# Altium PCB UltraZohm_Analog_ADS5272.PcbDoc (part 1 of 4) (continued)
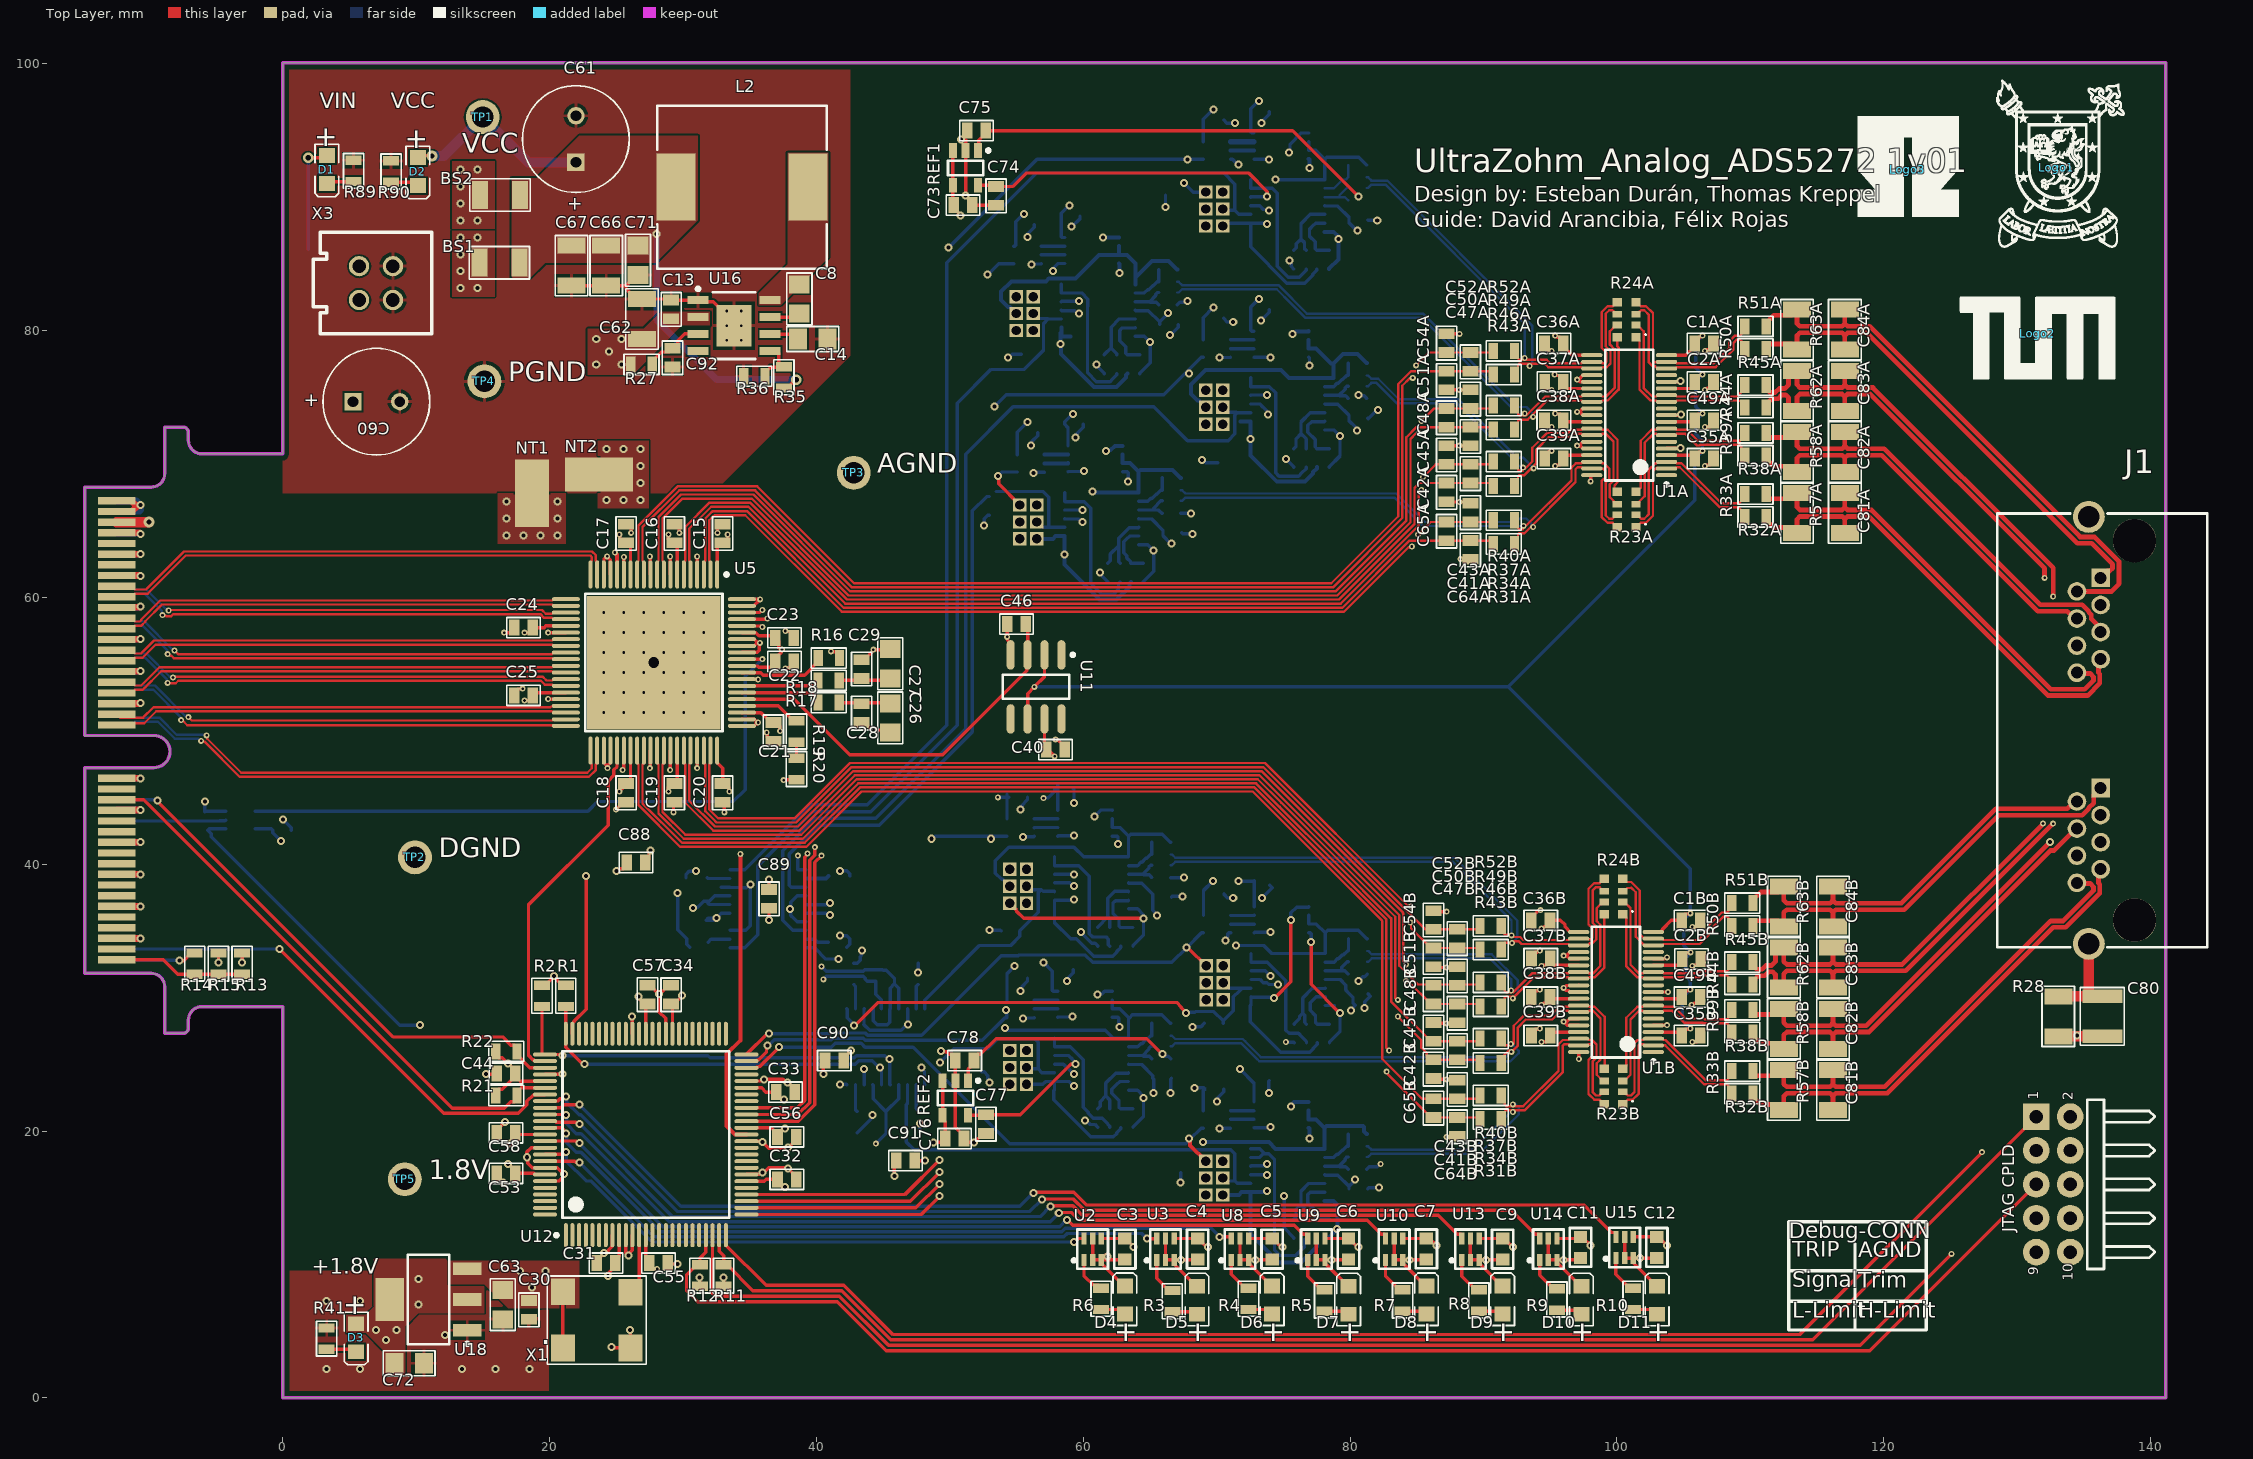
[diagram p0: Top Layer view]
## Components (designator, comment, footprint, x,y, rotation, side; value= is the part's Value field where it differs from the comment) (continued)
C48B "100pF" CAP_0603 86.261,29.524 r180 top (schematic designator C48)
C49A "100nF" CAP_0603 107.251,73.282 r270 top (schematic designator C49)
C49B "100nF" CAP_0603 106.264,30.038 r270 top (schematic designator C49)
C50A "200pF" CAP_0603 89.027,74.165 r180 top (schematic designator C50)
C50B "200pF" CAP_0603 88.039,30.921 r180 top (schematic designator C50)
C51A "200pF" CAP_0603 87.249,75.562 r180 top (schematic designator C51)
C51B "200pF" CAP_0603 86.261,32.318 r180 top (schematic designator C51)
C52A "100pF" CAP_0603 89.027,76.962 r180 top (schematic designator C52)
C52B "100pF" CAP_0603 88.039,33.718 r180 top (schematic designator C52)
C53 "100nF" CAP_0603 17.431,16.821 r270 top
C54A "200pF" CAP_0603 87.249,78.359 r180 top (schematic designator C54)
C54B "200pF" CAP_0603 86.261,35.115 r180 top (schematic designator C54)
C55 "100nF" CAP_0603 27.464,10.09 r90 top
C56 "100nF" CAP_0603 37.081,19.558 r90 top
C57 "100nF" CAP_0603 27.337,29.521 r180 top
C58 "100nF" CAP_0603 17.434,19.869 r270 top
C59 "100nF" CAP_0603 45.85,31.242 r90 bottom
C60 "220 uF" WCAP-ATG5_8x11.5x3.5 7.013,74.676 r180 top
C61 "220 uF" WCAP-ATG5_8x11.5x3.5 21.971,94.361 r270 top
C62 "10uF" RES_1206 26.924,79.375 r0 top
C63 "1uF" CAP_0805 16.489,8.088 r0 top
C64A "200pF" CAP_0603 89.027,62.862 r180 top (schematic designator C64)
C64B "200pF" CAP_0603 88.039,19.618 r180 top (schematic designator C64)
C65A "100pF" CAP_0603 87.249,64.259 r180 top (schematic designator C65)
C65B "100pF" CAP_0603 86.261,21.015 r180 top (schematic designator C65)
C66 "10uF" RES_1206 24.244,86.375 r180 top
C67 "10uF" RES_1206 21.644,86.375 r180 top
C68A "100nF" CAP_0603 79.923,88.298 r270 bottom (schematic designator C68)
C68B "100nF" CAP_0603 65.724,80.463 r270 bottom (schematic designator C68)
C68C "100nF" CAP_0603 79.923,73.443 r270 bottom (schematic designator C68)
C68D "100nF" CAP_0603 65.978,64.842 r270 bottom (schematic designator C68)
C68E "100nF" CAP_0603 65.216,37.537 r270 bottom (schematic designator C68)
C68F "100nF" CAP_0603 79.948,30.298 r270 bottom (schematic designator C68)
C68G "100nF" CAP_0603 65.216,23.948 r270 bottom (schematic designator C68)
C68H "100nF" CAP_0603 79.923,15.658 r270 bottom (schematic designator C68)
C69A "100nF" CAP_0603 72.557,96.43 r270 bottom (schematic designator C69)
C69B "100nF" CAP_0603 58.358,88.591 r270 bottom (schematic designator C69)
C69C "100nF" CAP_0603 72.557,81.571 r270 bottom (schematic designator C69)
C69D "100nF" CAP_0603 58.612,72.97 r270 bottom (schematic designator C69)
C69E "100nF" CAP_0603 57.85,45.665 r270 bottom (schematic designator C69)
C69F "100nF" CAP_0603 72.582,38.426 r270 bottom (schematic designator C69)
C69G "100nF" CAP_0603 57.85,32.076 r270 bottom (schematic designator C69)
C69H "100nF" CAP_0603 72.557,23.786 r270 bottom (schematic designator C69)
C70A "100nF" CAP_0603 69.128,95.795 r270 bottom (schematic designator C70)
C70B "100nF" CAP_0603 54.929,87.956 r270 bottom (schematic designator C70)
C70C "100nF" CAP_0603 69.128,80.936 r270 bottom (schematic designator C70)
C70D "100nF" CAP_0603 55.183,72.335 r270 bottom (schematic designator C70)
C70E "100nF" CAP_0603 54.421,45.03 r270 bottom (schematic designator C70)
C70F "100nF" CAP_0603 69.153,37.791 r270 bottom (schematic designator C70)
C70G "100nF" CAP_0603 54.421,31.441 r270 bottom (schematic designator C70)
C70H "100nF" CAP_0603 69.128,23.151 r270 bottom (schematic designator C70)
C71 "1uF" CAP_0805 26.624,86.375 r0 top
C72 "1uF" CAP_0805 8.369,2.59 r90 top
C73 "100nF" CAP_0603 50.289,89.408 r90 top
C74 "100nF" CAP_0603 53.467,90.808 r0 top
C75 "100nF" CAP_0603 52.705,94.996 r270 top
C76 "100nF" CAP_0603 49.657,19.431 r90 top
C77 "100nF" CAP_0603 52.705,21.212 r0 top
C78 "100nF" CAP_0603 51.816,25.273 r270 top
C80 "100pF" CAP_1210 136.398,27.099 r0 top
C81A "100nF" RES_1206 117.094,64.815 r0 top (schematic designator C81)
C81B "100nF" RES_1206 116.205,21.571 r0 top (schematic designator C81)
C82A "100nF" RES_1206 117.094,69.403 r0 top (schematic designator C82)
C82B "100nF" RES_1206 116.205,26.159 r0 top (schematic designator C82)
C83A "100nF" RES_1206 117.094,73.991 r0 top (schematic designator C83)
C83B "100nF" RES_1206 116.205,30.747 r0 top (schematic designator C83)
C84A "100nF" RES_1206 117.094,78.579 r0 top (schematic designator C84)
C84B "100nF" RES_1206 116.205,35.335 r0 top (schematic designator C84)
C85A "100nF" CAP_0603 66.167,91.57 r180 bottom (schematic designator C85)
C85B "100nF" CAP_0603 56.769,78.232 r90 bottom (schematic designator C85)
C85C "100nF" CAP_0603 70.104,71.504 r180 bottom (schematic designator C85)
C85D "100nF" CAP_0603 52.959,67.564 r180 bottom (schematic designator C85)
C85E "100nF" CAP_0603 55.248,34.998 r90 bottom (schematic designator C85)
C85F "100nF" CAP_0603 70.485,28.067 r90 bottom (schematic designator C85)
C85G "100nF" CAP_0603 52.376,25.833 r180 bottom (schematic designator C85)
C85H "100nF" CAP_0603 67.31,18.288 r180 bottom (schematic designator C85)
C86 "100nF" CAP_0603 -5.842,42.545 r0 bottom
C87 "100nF" CAP_0603 -0.762,42.545 r270 bottom
C88 "100nF" CAP_0603 25.778,40.132 r90 top
C89 "100nF" CAP_0603 36.449,36.703 r180 top
C90 "100nF" CAP_0603 40.637,25.273 r90 top
C91 "100nF" CAP_0603 45.974,17.78 r90 top
C92 "1µF" CAP_0603 29.21,78.67 r0 top
D1 "VIN" LED_0805_GREEN 3.302,92.075 r270 top
D2 "VCC" LED_0805_GREEN 10.122,91.925 r270 top
D3 "+1.8V" LED_0805_GREEN 5.493,4.502 r270 top
D4 "LED" LED_0805_GREEN 63.119,7.33 r90 top
D5 "LED" LED_0805_GREEN 68.53,7.313 r90 top
D6 "LED" LED_0805_GREEN 74.168,7.33 r90 top
D7 "LED" LED_0805_GREEN 79.903,7.313 r90 top
D8 "LED" LED_0805_GREEN 85.733,7.33 r90 top
D9 "LED" LED_0805_GREEN 91.44,7.33 r90 top
D10 "LED" LED_0805_GREEN 97.348,7.313 r90 top
D11 "LED" LED_0805_GREEN 103.028,7.313 r90 top
DebugA "Connector Header Through Hole, Right Angle 6 position 0.0.79\" (2mm)" "HEADER 3X2 MACHO PITCH 1.27MM" 69.825,89.119 r0 bottom (schematic designator Debug)
DebugB "Connector Header Through Hole, Right Angle 6 position 0.0.79\" (2mm)" "HEADER 3X2 MACHO PITCH 1.27MM" 55.626,81.28 r0 bottom (schematic designator Debug)
DebugC "Connector Header Through Hole, Right Angle 6 position 0.0.79\" (2mm)" "HEADER 3X2 MACHO PITCH 1.27MM" 69.825,74.26 r0 bottom (schematic designator Debug)
DebugD "Connector Header Through Hole, Right Angle 6 position 0.0.79\" (2mm)" "HEADER 3X2 MACHO PITCH 1.27MM" 55.88,65.659 r0 bottom (schematic designator Debug)
DebugE "Connector Header Through Hole, Right Angle 6 position 0.0.79\" (2mm)" "HEADER 3X2 MACHO PITCH 1.27MM" 55.118,38.354 r0 bottom (schematic designator Debug)
DebugF "Connector Header Through Hole, Right Angle 6 position 0.0.79\" (2mm)" "HEADER 3X2 MACHO PITCH 1.27MM" 69.85,31.115 r0 bottom (schematic designator Debug)
DebugG "Connector Header Through Hole, Right Angle 6 position 0.0.79\" (2mm)" "HEADER 3X2 MACHO PITCH 1.27MM" 55.118,24.765 r0 bottom (schematic designator Debug)
DebugH "Connector Header Through Hole, Right Angle 6 position 0.0.79\" (2mm)" "HEADER 3X2 MACHO PITCH 1.27MM" 69.825,16.475 r0 bottom (schematic designator Debug)
J1 "RJHSE-5380-02" RJHSE-5380-02 138.811,35.814 r90 top
"JTAG CPLD" "" "HEADER_JTAG - MAXII Horizontal" 133.985,10.922 r90 top
L2 "15mH" SMT_inductor_1050_Performance 34.424,90.775 r270 top
Logo1 "LOGO USACH" "Logo Usach" 132.969,92.202 r0 top
Logo2 "LOGO TUM" "Logo TUM" 131.572,79.756 r0 top
Logo3 "LOGO G.S. Ohm" "Logo G.S.Ohm University" 121.793,92.075 r0 top
NT1 "NetTie" NetTie 18.669,67.818 r90 top net-tie
NT2 "NetTie" NetTie 23.695,69.215 r0 top net-tie
POT1 "X95840_" TSSO6X6-G20/D6.6 36.369,36.656 r270 bottom
POT2 "X95840_" TSSO6X6-G20/D6.6 45.202,26.315 r180 bottom
R1 "2.2k" RES_0603 21.209,30.937 r0 top
R2 "2.2k" RES_0603 19.431,30.937 r0 top
R3 "1.5k" RES_0603 66.675,6.441 r180 top
R4 "1.5k" RES_0603 72.39,6.619 r180 top
R5 "1.5k" RES_0603 78.105,6.492 r180 top
R6 "1.5k" RES_0603 61.341,6.619 r180 top
R7 "1.5k" RES_0603 83.947,6.492 r180 top
R8 "1.5k" RES_0603 89.662,6.492 r180 top
R9 "1.5k" RES_0603 95.504,6.568 r180 top
R10 "1.5k" RES_0603 101.219,6.619 r180 top
R11 "1k" RES_0603 33.052,8.363 r180 top
R12 "10k" RES_0603 31.274,8.363 r180 top
R13 "DNP" RES_0603 -3.048,31.75 r180 top value=0
R14 "0" RES_0603 -6.604,33.35 r0 top
R15 "DNP" RES_0603 -4.826,31.75 r180 top value=0
R16 "4.7k" RES_0603 40.132,55.453 r90 top
R17 "2" RES_0603 41.721,52.114 r270 top
R18 "2" RES_0603 41.721,53.784 r270 top
R19 "56k" RES_0603 38.506,49.146 r180 top
R20 "220" RES_0603 38.506,46.336 r180 top
R21 "2.2k" RES_0603 15.958,22.663 r90 top
R22 "2.2k" RES_0603 15.958,25.965 r90 top
R23A "10k" CAC-80P320X160-8N 100.745,66.593 r180 top (schematic designator R23)
R23B "10k" CAC-80P320X160-8N 99.757,23.349 r180 top (schematic designator R23)
R24A "10k" CAC-80P320X160-8N 100.745,80.817 r180 top (schematic designator R24)
R24B "10k" CAC-80P320X160-8N 99.757,37.573 r180 top (schematic designator R24)
R25A "100k" CAC-80P320X160-8N 80.558,91.096 r180 bottom (schematic designator R25)
R25B "100k" CAC-80P320X160-8N 66.359,83.257 r180 bottom (schematic designator R25)
R25C "100k" CAC-80P320X160-8N 80.558,76.237 r180 bottom (schematic designator R25)
R25D "100k" CAC-80P320X160-8N 66.613,67.636 r180 bottom (schematic designator R25)
R25E "100k" CAC-80P320X160-8N 65.851,40.331 r180 bottom (schematic designator R25)
R25F "100k" CAC-80P320X160-8N 80.583,33.092 r180 bottom (schematic designator R25)
R25G "100k" CAC-80P320X160-8N 65.851,26.742 r180 bottom (schematic designator R25)
R25H "100k" CAC-80P320X160-8N 80.558,18.452 r180 bottom (schematic designator R25)
R26A "10k" CAC-80P320X160-8N 77.11,85.319 r90 bottom (schematic designator R26)
R26B "10k" CAC-80P320X160-8N 62.911,77.48 r90 bottom (schematic designator R26)
R26C "10k" CAC-80P320X160-8N 77.11,70.46 r90 bottom (schematic designator R26)
R26D "10k" CAC-80P320X160-8N 63.165,61.859 r90 bottom (schematic designator R26)
R26E "10k" CAC-80P320X160-8N 62.403,34.554 r90 bottom (schematic designator R26)
R26F "10k" CAC-80P320X160-8N 77.135,27.315 r90 bottom (schematic designator R26)
R26G "10k" CAC-80P320X160-8N 62.403,20.965 r90 bottom (schematic designator R26)
R26H "10k" CAC-80P320X160-8N 77.11,12.675 r90 bottom (schematic designator R26)
R27 "100k" RES_0603 27.686,77.47 r270 top
R28 "1M" RES_1206 133.096,30.099 r180 top
R31A "48.7" RES_0603 90.729,64.008 r90 top (schematic designator R31)
R31B "48.7" RES_0603 89.741,20.891 r90 top (schematic designator R31)
R32A "39.2k" RES_0603 109.601,66.04 r90 top (schematic designator R32)
R32B "39.2k" RES_0603 108.613,22.796 r90 top (schematic designator R32)
R33A "39.2k" RES_0603 109.601,67.74 r90 top (schematic designator R33)
R33B "39.2k" RES_0603 108.613,24.496 r90 top (schematic designator R33)
R34A "48.7" RES_0603 90.729,65.786 r90 top (schematic designator R34)
R34B "48.7" RES_0603 89.741,22.669 r90 top (schematic designator R34)
R35 "100k" RES_0603 37.554,77.303 r0 top
R36 "40.2k" RES_0603 34.544,76.581 r90 top
R37A "48.7" RES_0603 90.729,68.346 r90 top (schematic designator R37)
R37B "48.7" RES_0603 89.741,25.102 r90 top (schematic designator R37)
R38A "39.2k" RES_0603 109.596,70.632 r90 top (schematic designator R38)
R38B "39.2k" RES_0603 108.608,27.388 r90 top (schematic designator R38)
R39A "39.2k" RES_0603 109.601,72.332 r90 top (schematic designator R39)
R39B "39.2k" RES_0603 108.613,29.088 r90 top (schematic designator R39)
R40A "48.7" RES_0603 90.729,70.173 r90 top (schematic designator R40)
R40B "48.7" RES_0603 89.741,26.929 r90 top (schematic designator R40)
R41 "100" RES_0603 3.29,5.238 r0 top
R43A "48.7" RES_0603 90.729,72.587 r90 top (schematic designator R43)
R43B "48.7" RES_0603 89.741,29.343 r90 top (schematic designator R43)
R44A "39.2k" RES_0603 109.601,74.238 r90 top (schematic designator R44)
R44B "39.2k" RES_0603 108.613,30.994 r90 top (schematic designator R44)
R45A "39.2k" RES_0603 109.601,75.908 r90 top (schematic designator R45)
R45B "39.2k" RES_0603 108.613,32.664 r90 top (schematic designator R45)
R46A "48.7" RES_0603 90.729,74.384 r90 top (schematic designator R46)
R46B "48.7" RES_0603 89.741,31.14 r90 top (schematic designator R46)
R49A "48.7" RES_0603 90.729,76.708 r90 top (schematic designator R49)
R49B "48.7" RES_0603 89.741,33.591 r90 top (schematic designator R49)
R50A "39.2k" RES_0603 109.601,78.626 r90 top (schematic designator R50)
R50B "39.2k" RES_0603 108.613,35.382 r90 top (schematic designator R50)
R51A "39.2k" RES_0603 109.596,80.326 r90 top (schematic designator R51)
R51B "39.2k" RES_0603 108.608,37.082 r90 top (schematic designator R51)
R52A "48.7" RES_0603 90.729,78.486 r90 top (schematic designator R52)
R52B "48.7" RES_0603 89.741,35.369 r90 top (schematic designator R52)
R56 "10k" RES_0603 30.226,38.989 r270 bottom
R57A "160" RES_1206 113.51,64.815 r0 top (schematic designator R57)
R57B "160" RES_1206 112.522,21.571 r0 top (schematic designator R57)
R58A "160" RES_1206 113.51,69.403 r0 top (schematic designator R58)
R58B "160" RES_1206 112.522,26.159 r0 top (schematic designator R58)
R62A "160" RES_1206 113.51,73.991 r0 top (schematic designator R62)
R62B "160" RES_1206 112.522,30.747 r0 top (schematic designator R62)
R63A "160" RES_1206 113.51,78.579 r0 top (schematic designator R63)
R63B "160" RES_1206 112.522,35.335 r0 top (schematic designator R63)
R73 "10k" RES_0603 30.277,34.163 r270 bottom
R74 "10k" RES_0603 42.494,34.163 r90 bottom
R75 "10k" RES_0603 42.494,39.116 r90 bottom
R80 "10k" RES_0603 47.625,32.588 r180 bottom
R81 "10k" RES_0603 42.799,32.588 r180 bottom
R82 "10k" RES_0603 43.053,19.863 r0 bottom
R83 "10k" RES_0603 47.752,19.863 r0 bottom
R89 "20k" RES_0603 5.302,91.175 r180 top
R90 "330" RES_0603 8.122,92.725 r0 top
REF1 "VREF 3.3V/1.65V" SOT-23-5 51.181,92.202 r90 top
REF2 "VREF 3.3V/1.65V" SOT-23-5 50.419,22.479 r90 top
TP1 "VCC" TP_1.6mm 14.986,96.012 r270 top
TP2 "DGND" TP_1.6mm 9.906,40.513 r0 top
TP3 "AGND" TP_1.6mm 42.799,69.342 r0 top
TP4 "PGND" TP_1.6mm 15.113,76.2 r0 top
TP5 "1.8V" TP_1.6mm 9.144,16.383 r0 top
U1A "THS4524" "THS4524 Footprint" 100.925,73.662 r180 top (schematic designator U1)
U1B "THS4524" "THS4524 Footprint" 99.937,30.418 r180 top (schematic designator U1)
U2 "LED Driver" SOT65P210X110-6N 60.706,11.14 r90 top
U3 "LED Driver" SOT65P210X110-6N 66.167,11.14 r90 top
U4A "OPA4344" TSSO5X6-G14/X.3 75.33,89.363 r270 bottom (schematic designator U4)
U4B "OPA4344" TSSO5X6-G14/X.3 61.131,81.524 r270 bottom (schematic designator U4)
U4C "OPA4344" TSSO5X6-G14/X.3 75.33,74.504 r270 bottom (schematic designator U4)
U4D "OPA4344" TSSO5X6-G14/X.3 61.385,65.903 r270 bottom (schematic designator U4)
U4E "OPA4344" TSSO5X6-G14/X.3 60.623,38.598 r270 bottom (schematic designator U4)
U4F "OPA4344" TSSO5X6-G14/X.3 75.355,31.359 r270 bottom (schematic designator U4)
U4G "OPA4344" TSSO5X6-G14/X.3 60.623,25.009 r270 bottom (schematic designator U4)
U4H "OPA4344" TSSO5X6-G14/X.3 75.33,16.719 r270 bottom (schematic designator U4)
U5 "ADS5272" TSQFP50P1400X1400_HS-80M 27.813,55.118 r90 top
U6A "MC74VHC1G00DFT1" SOT-353 70.017,93.509 r0 bottom (schematic designator U6)
U6B "MC74VHC1G00DFT1" SOT-353 55.818,85.67 r0 bottom (schematic designator U6)
U6C "MC74VHC1G00DFT1" SOT-353 70.017,78.65 r0 bottom (schematic designator U6)
U6D "MC74VHC1G00DFT1" SOT-353 56.072,70.049 r0 bottom (schematic designator U6)
U6E "MC74VHC1G00DFT1" SOT-353 55.31,42.744 r0 bottom (schematic designator U6)
U6F "MC74VHC1G00DFT1" SOT-353 70.042,35.505 r0 bottom (schematic designator U6)
U6G "MC74VHC1G00DFT1" SOT-353 55.31,29.155 r0 bottom (schematic designator U6)
U6H "MC74VHC1G00DFT1" SOT-353 70.017,20.865 r0 bottom (schematic designator U6)
U7A "uMAX962" 8-MSOP 74.843,93.89 r180 bottom (schematic designator U7)
U7B "uMAX962" 8-MSOP 60.644,86.051 r180 bottom (schematic designator U7)
U7C "uMAX962" 8-MSOP 74.843,79.031 r180 bottom (schematic designator U7)
U7D "uMAX962" 8-MSOP 60.898,70.43 r180 bottom (schematic designator U7)
U7E "uMAX962" 8-MSOP 60.136,43.125 r180 bottom (schematic designator U7)
U7F "uMAX962" 8-MSOP 74.868,35.886 r180 bottom (schematic designator U7)
U7G "uMAX962" 8-MSOP 60.136,29.536 r180 bottom (schematic designator U7)
U7H "uMAX962" 8-MSOP 74.843,21.246 r180 bottom (schematic designator U7)
U8 "LED Driver" SOT65P210X110-6N 71.755,11.14 r90 top
U9 "LED Driver" SOT65P210X110-6N 77.47,11.14 r90 top
U10 "LED Driver" SOT65P210X110-6N 83.312,11.14 r90 top
U11 "TL071" SOIC8_N 56.464,53.294 r90 top
U12 "5M570ZT100C5N" TQFP100_N 27.21,19.742 r90 top
U13 "LED Driver" SOT65P210X110-6N 89.027,11.14 r90 top
U14 "LED Driver" SOT65P210X110-6N 94.869,11.14 r90 top
U15 "LED Driver" SOT65P210X110-6N 100.584,11.267 r90 top
U16 "Buck Converter" SOIC127P600X170_HS-9N 33.824,80.375 r0 top
U17 "Level Shifter" TSOP65P210X110-5N -3.175,43.307 r0 bottom
U18 "1.8V LDO" SOT230P700X170-4N 10.922,7.366 r180 top
X1 "20MHz" CRYSTALOSC 21.107,8.24 r0 top
X2 "HSEC8-140-01-XX-DV-A-BL-CARD" HSEC8-140-01-XX-DV-A-BL-CARD -14.853,50.042 r270 bottom locked
X3 "IPL1-102-01-L-D-K" IPL1-102-01-L-D-K 6.985,83.566 r270 top

## Footprints (in the part's own frame and the unit in brackets; to place one, negate y for a bottom-side part, rotate by r counter-clockwise, add the part's x,y. Pads: shape width x height; smd on the part's side, far side on the other; paste and mask are expansions set on the pad)
8-MSOP [mm] "8 Leads, Body 3.1x4.5mm (max), Pitch 0.65mm, IPC Medium Density"
  round 0.508 on Mech15: 0(0,0)
  oval 1.5x0.4 smd paste-0.051: 1(-2.05,0.93) 2(-2.05,0.28) 3(-2.05,-0.37) 4(-2.05,-1.02) 5(2.04,-1.02) 6(2.04,-0.37) 7(2.04,0.28) 8(2.04,0.93)
  silkscreen extent -1.02,-1.64 1.02,1.56, body extent -2.45,-1.53 2.45,1.47, height 1.15
0603 [mm]
  rect 0.9x1 smd: 1(0.801,0) 2(-0.775,0)
  silkscreen extent -1.45,-0.8 1.47,0.8, body extent -0.85,-0.45 0.85,0.45, height 0.55
CAC-80P320X160-8N [mm] "Chip Array, ConvexS, 8-Leads, Pitch 0,80mm,  Body 3,20x1,60mm,  IPC Medium Density"
  rect 0.7x0.64 smd: 1(-0.7,1.325) 4(-0.7,-1.325) 5(0.7,-1.325) 8(0.7,1.325)
  rect 0.7x0.5 smd: 2(-0.7,0.4) 3(-0.7,-0.4) 6(0.7,-0.4) 7(0.7,0.4)
  silkscreen extent -1.46,1.06 -1.36,1.16, body extent -0.8,-1.65 0.8,1.65, height 0.45
CAP_0603 [mm] "CAP CER 0603"
  rect 1.2x0.8 smd: 1(0,0) 2(0,-1.4)
  silkscreen extent -0.76,-1.96 0.76,0.56, body extent -0.39,-1.45 0.41,0.15, height 0.4
CAP_0805 [mm] "CAP CER 0805"
  rect 1.55x1.35 smd: 1(0,0) 2(0,-2.2)
  silkscreen extent -0.94,-3.04 0.94,0.84, body extent -0.62,-2.1 0.63,-0.1, height 0.6
CAP_1210 [mm] "1210 SMD"
  rect 3x1 smd: 1(0,0) 2(0,3)
  silkscreen extent -1.65,-0.66 1.65,3.66, body extent -1.3,-0.2 1.3,3.2, height 1.5
CRYSTALOSC [mm]
  rect 1.8x2 smd: 1(-0.12,-4.5) 2(4.96,-4.5) 3(4.96,-0.32) 4(-0.12,-0.3)
  silkscreen extent -1.29,-5.72 6.13,0.89, body extent -1.04,-4.86 5.96,0.14, height 1.7
"HEADER 3X2 MACHO PITCH 1.27MM" [mm] "P/N: GRPB032VWVN-RC"
  rect 1x1 hole 0.7: 1(-0.635,-1.27) 2(0.635,-1.27) 3(-0.635,0) 4(0.635,0) 5(-0.635,1.27) 6(0.635,1.27)
  silkscreen extent -1.7,-1.91 1.7,1.91, body extent -1.7,-1.91 1.7,1.9, height 4.05
"HEADER_JTAG - MAXII Horizontal" [mm] "Connector; Header; 5x2 Position; Right Angle"
  rect 2x2 hole 1: 1(10.16,2.54)
  round 2 hole 1: 2(10.16,0) 3(7.62,2.54) 4(7.62,0) 5(5.08,2.54) 6(5.08,0) 7(2.54,2.54) 8(2.54,0) 9(0,2.54) 10(0,0)
  silkscreen extent -1.27,-6.35 11.43,-1.27, body extent -2.44,-10.64 12.6,2.8, height 9.87
HSEC8-140-01-XX-DV-A-BL-CARD [mm]
  rect 0.55x2.8 smd far side mask+0.05: 1(-17.2,-2.4) 3(-16.4,-2.4) 5(-15.6,-2.4) 7(-14.8,-2.4) 9(-14,-2.4) 11(-13.2,-2.4) 13(-12.4,-2.4) 15(-11.6,-2.4) 17(-10.8,-2.4) 19(-10,-2.4) 21(-9.2,-2.4) 23(-8.4,-2.4) 25(-7.6,-2.4) 27(-6.8,-2.4) 29(-6,-2.4) 31(-5.2,-2.4) 33(-4.4,-2.4) 35(-3.6,-2.4) 37(-2.8,-2.4) 39(-2,-2.4) 41(-1.2,-2.4) 43(-0.4,-2.4) 45(3.6,-2.4) 47(4.4,-2.4) 49(5.2,-2.4) 51(6,-2.4) 53(6.8,-2.4) 55(7.6,-2.4) 57(8.4,-2.4) 59(9.2,-2.4) 61(10,-2.4) 63(10.8,-2.4) 65(11.6,-2.4) 67(12.4,-2.4) 69(13.2,-2.4) 71(14,-2.4) 73(14.8,-2.4) 75(15.6,-2.4) 77(16.4,-2.4) 79(17.2,-2.4)
  rect 0.55x2.8 smd mask+0.05: 2(-17.2,-2.4) 4(-16.4,-2.4) 6(-15.6,-2.4) 8(-14.8,-2.4) 10(-14,-2.4) 12(-13.2,-2.4) 14(-12.4,-2.4) 16(-11.6,-2.4) 18(-10.8,-2.4) 20(-10,-2.4) 22(-9.2,-2.4) 24(-8.4,-2.4) 26(-7.6,-2.4) 28(-6.8,-2.4) 30(-6,-2.4) 32(-5.2,-2.4) 34(-4.4,-2.4) 36(-3.6,-2.4) 38(-2.8,-2.4) 40(-2,-2.4) 42(-1.2,-2.4) 44(-0.4,-2.4) 46(3.6,-2.4) 48(4.4,-2.4) 50(5.2,-2.4) 52(6,-2.4) 54(6.8,-2.4) 56(7.6,-2.4) 58(8.4,-2.4) 60(9.2,-2.4) 62(10,-2.4) 64(10.8,-2.4) 66(11.6,-2.4) 68(12.4,-2.4) 70(13.2,-2.4) 72(14,-2.4) 74(14.8,-2.4) 76(15.6,-2.4) 78(16.4,-2.4) 80(17.2,-2.4)
IPL1-102-01-L-D-K [mil]
  round 60 hole 40 mask+3: 1(-50,50) 2(50,50) 3(-50,-50) 4(50,-50)
  silkscreen extent -150,-185 150,165, body extent -130,-165 130,145, height 320
LED_0805_GREEN [mm] "Chip LED, 2-Leads, Body 2.0x1.3mm, IPC Medium Density"
  rect 1.1x1.2 smd: 1(-1.05,0) 2(1.05,0)
  silkscreen extent -1.91,-0.89 2.03,0.89, body extent -1,-0.63 1,0.62, height 0.68
"Logo G.S.Ohm University" [mm] "9.5 x 12.6 mm"
  silkscreen extent -3.72,-3.5 3.83,4.01
"Logo TUM" [mm] "9.5 x 12.6 mm"
  silkscreen extent -5.87,-3.37 5.79,2.8
"Logo Usach" [mm] "9.5 x 12.6 mm"
  silkscreen extent -4.53,-5.94 5.09,6.59
NetTie [mm]
  rect 2.54x2.54 smd mask+0.102: 1(-1.27,0) 2(1.27,0)
RES_0603 [mm] "RES 0603"
  rect 1.2x0.7 smd: 1(0,0) 2(0,-1.6)
  silkscreen extent -0.76,-2.11 0.76,0.51, body extent -0.45,-1.59 0.45,0.01, height 0.5
RES_1206 [mm] "RES 1206"
  rect 2.1x1.2 smd: 1(0,0) 2(0,3)
  silkscreen extent -1.22,-0.76 1.22,3.76, body extent -0.78,-0.1 0.82,3.1, height 0.6
RJHSE-5380-02 [mm] "Modular Jack Horizontal Shielded Dual Port 8P8C Tab Up"
  rect 1.4x1.4 hole 0.9: A1(9.906,2.54) B1(25.654,2.54)
  round 1.4 hole 0.9: A2(8.89,4.318) A3(7.874,2.54) A4(6.858,4.318) A5(5.842,2.54) A6(4.826,4.318) A7(3.81,2.54) A8(2.794,4.318) B2(24.638,4.318) B3(23.622,2.54) B4(22.606,4.318) B5(21.59,2.54) B6(20.574,4.318) B7(19.558,2.54) B8(18.542,4.318)
  round 3.25 hole 3.25 unplated: MH1(0,0) MH2(28.448,0)
  round 2.4 hole 1.6: S1(-1.778,3.429) S2(30.226,3.429)
  silkscreen extent -2.03,-5.46 30.48,10.29, body extent -3.5,-5.41 31.95,10.29, height 15.06
SMT_inductor_1050_Performance [mm] "SMD Shielded Power Inductor, 2-leads, body 10.3x10.5mm"
  rect 5x2.9 smd: 1(0,4.95) 2(0,-4.95)
  silkscreen extent -6.1,-6.35 6.15,6.35, body extent -6.15,-6.15 6.15,6.15, height 10.16
SOIC8_N [mm] "SOIC, 8-Leads, Body 4.9x3.9mm, Pitch 1.27mm, IPC Medium Density"
  oval 2.2x0.6 smd: 1(2.4,-1.905) 2(2.4,-0.635) 3(2.4,0.635) 4(2.4,1.905) 5(-2.4,1.905) 6(-2.4,0.635) 7(-2.4,-0.635) 8(-2.4,-1.905)
  silkscreen extent -0.9,-2.88 2.52,2.5, body extent -3.08,-2.5 3.08,2.5, height 2
SOIC127P600X170_HS-9N [mm] "SOIC, 8-Leads, Body 4,90x3,90mm, Pitch 1,27mm, Thermal Pad 3,10x2,60mm, IPC Medium Density"
  rect 1.55x0.6 smd: 1(-2.7,1.905) 2(-2.7,0.635) 3(-2.7,-0.635) 4(-2.7,-1.905) 5(2.7,-1.905) 6(2.7,-0.635) 7(2.7,0.635) 8(2.7,1.905)
  rect 2.6x3.1 smd: 9(0,0)
  silkscreen extent -2.82,-2.5 1.6,2.88, body extent -2,-2.5 2,2.5, height 1.7
SOT65P210X110-6N [mm] "SOT23, 6-Leads, Body 2,03x2,10mm, Pitch 0,65mm, IPC Medium Density"
  rect 0.9x0.4 smd: 1(-0.8,0.65) 2(-0.8,0) 3(-0.8,-0.65) 4(0.8,-0.65) 5(0.8,0) 6(0.8,0.65)
  silkscreen extent -1.47,-1.15 1.47,1.52, body extent -0.67,-1.12 0.67,1.13, height 1.1
SOT230P700X170-4N [mm] "SOT223, 4-Leads, Body 6,50x7,00mm (avg), Pitch 2,30mm, IPC Medium Density"
  rect 2.15x0.95 smd: 1(-2.9,2.3) 2(-2.9,0) 3(-2.9,-2.3)
  rect 2.15x3.25 smd: 4(2.9,0)
  silkscreen extent -3.03,-3.35 1.55,3.45, body extent -1.85,-3.35 1.85,3.35, height 1.7
SOT-23-5 [mm] "SOT353, 5-Leads, Body 2x1.3mm, Pitch 0.65mm, Lead Span 2.1mm, IPC Medium Density"
  rect 1.1x0.6 smd: 1(1.3,-0.95) 2(1.3,0) 3(1.3,0.95) 4(-1.3,0.95) 5(-1.3,-0.95)
  silkscreen extent -0.55,-1.83 1.42,1.32, body extent -1.42,-1.5 1.42,1.5, height 1.2
SOT-353 [mm] "SOT353, 5-Leads, Body 2x1.3mm, Pitch 0.65mm, Lead Span 2.1mm, IPC Medium Density"
  rect 0.7x0.4 smd: 1(1.025,-0.65) 2(1.025,0) 3(1.025,0.65) 4(-1.025,0.65) 5(-1.025,-0.65)
  silkscreen extent -0.3,-1.52 1.15,1.1, body extent -0.7,-1.1 0.7,1.1, height 1.1
"THS4524 Footprint" [mm] "THS4524 4Ch Dif Amp, TSSOP"
  oval 1.6x0.3 smd mask+0.05: 1(-2.8,4.5) 2(-2.8,4) 3(-2.8,3.5) 4(-2.8,3) 5(-2.8,2.5) 6(-2.8,2) 7(-2.8,1.5) 8(-2.8,1) 9(-2.8,0.5) 10(-2.8,0) 11(-2.8,-0.5) 12(-2.8,-1) 13(-2.8,-1.5) 14(-2.8,-2) 15(-2.8,-2.5) 16(-2.8,-3) 17(-2.8,-3.5) 18(-2.8,-4) 19(-2.8,-4.5) 20(2.8,-4.5) 21(2.8,-4) 22(2.8,-3.5) 23(2.8,-3) 24(2.8,-2.5) 25(2.8,-2) 26(2.8,-1.5) 27(2.8,-1) 28(2.8,-0.5) 29(2.8,0) 30(2.8,0.5) 31(2.8,1) 32(2.8,1.5) 33(2.8,2) 34(2.8,2.5) 35(2.8,3) 36(2.8,3.5) 37(2.8,4) 38(2.8,4.5)
  silkscreen extent -2.93,-4.9 1.8,5.32, body extent -2.25,-4.9 2.25,4.9, height 1.2
TP_1.6mm [mm]
  round 2.54 hole 1.6: 1(0,0)
  body extent -1.59,-1.66 1.59,1.51, height 5.74
TQFP100_N [mm] "Thin QFP, 100-Leads, Body 14x14mm, Pitch 0.5mm, IPC Medium Density"
  oval 1.8x0.3 smd: 1(-7.55,6) 2(-7.55,5.5) 3(-7.55,5) 4(-7.55,4.5) 5(-7.55,4) 6(-7.55,3.5) 7(-7.55,3) 8(-7.55,2.5) 9(-7.55,2) 10(-7.55,1.5) 11(-7.55,1) 12(-7.55,0.5) 13(-7.55,0) 14(-7.55,-0.5) 15(-7.55,-1) 16(-7.55,-1.5) 17(-7.55,-2) 18(-7.55,-2.5) 19(-7.55,-3) 20(-7.55,-3.5) 21(-7.55,-4) 22(-7.55,-4.5) 23(-7.55,-5) 24(-7.55,-5.5) 25(-7.55,-6) 51(7.55,-6) 52(7.55,-5.5) 53(7.55,-5) 54(7.55,-4.5) 55(7.55,-4) 56(7.55,-3.5) 57(7.55,-3) 58(7.55,-2.5) 59(7.55,-2) 60(7.55,-1.5) 61(7.55,-1) 62(7.55,-0.5) 63(7.55,0) 64(7.55,0.5) 65(7.55,1) 66(7.55,1.5) 67(7.55,2) 68(7.55,2.5) 69(7.55,3) 70(7.55,3.5) 71(7.55,4) 72(7.55,4.5) 73(7.55,5) 74(7.55,5.5) 75(7.55,6)
  oval 0.3x1.8 smd: 26(-6,-7.55) 27(-5.5,-7.55) 28(-5,-7.55) 29(-4.5,-7.55) 30(-4,-7.55) 31(-3.5,-7.55) 32(-3,-7.55) 33(-2.5,-7.55) 34(-2,-7.55) 35(-1.5,-7.55) 36(-1,-7.55) 37(-0.5,-7.55) 38(0,-7.55) 39(0.5,-7.55) 40(1,-7.55) 41(1.5,-7.55) 42(2,-7.55) 43(2.5,-7.55) 44(3,-7.55) 45(3.5,-7.55) 46(4,-7.55) 47(4.5,-7.55) 48(5,-7.55) 49(5.5,-7.55) 50(6,-7.55) 76(6,7.55) 77(5.5,7.55) 78(5,7.55) 79(4.5,7.55) 80(4,7.55) 81(3.5,7.55) 82(3,7.55) 83(2.5,7.55) 84(2,7.55) 85(1.5,7.55) 86(1,7.55) 87(0.5,7.55) 88(0,7.55) 89(-0.5,7.55) 90(-1,7.55) 91(-1.5,7.55) 92(-2,7.55) 93(-2.5,7.55) 94(-3,7.55) 95(-3.5,7.55) 96(-4,7.55) 97(-4.5,7.55) 98(-5,7.55) 99(-5.5,7.55) 100(-6,7.55)
  silkscreen extent -7.67,-6.25 6.25,6.82, body extent -8.01,-8.01 8.01,8.01, height 1.1
TSOP65P210X110-5N [mm] "TSOP, 5-Leads, Body 2,00x1,25mm, Pitch 0,65mm, IPC Medium Density"
  rect 0.85x0.35 smd: 1(-1.11,0.65) 2(-1.11,0) 3(-1.11,-0.65) 4(1.11,-0.65) 5(1.11,0.65)
  silkscreen extent -1.23,-1.1 0.3,1.43, body extent -0.7,-1.1 0.7,1.1, height 1.1
TSQFP50P1400X1400_HS-80M [mm] "80-Pin Plastic Quad Flat Pack PowerPAD"
  oval 2.1x0.3 smd: 1(6.6,-4.75) 2(6.6,-4.25) 3(6.6,-3.75) 4(6.6,-3.25) 5(6.6,-2.75) 6(6.6,-2.25) 7(6.6,-1.75) 8(6.6,-1.25) 9(6.6,-0.75) 10(6.6,-0.25) 11(6.6,0.25) 12(6.6,0.75) 13(6.6,1.25) 14(6.6,1.75) 15(6.6,2.25) 16(6.6,2.75) 17(6.6,3.25) 18(6.6,3.75) 19(6.6,4.25) 20(6.6,4.75) 41(-6.6,4.75) 42(-6.6,4.25) 43(-6.6,3.75) 44(-6.6,3.25) 45(-6.6,2.75) 46(-6.6,2.25) 47(-6.6,1.75) 48(-6.6,1.25) 49(-6.6,0.75) 50(-6.6,0.25) 51(-6.6,-0.25) 52(-6.6,-0.75) 53(-6.6,-1.25) 54(-6.6,-1.75) 55(-6.6,-2.25) 56(-6.6,-2.75) 57(-6.6,-3.25) 58(-6.6,-3.75) 59(-6.6,-4.25) 60(-6.6,-4.75)
  oval 0.3x2.1 smd: 21(4.75,6.6) 22(4.25,6.6) 23(3.75,6.6) 24(3.25,6.6) 25(2.75,6.6) 26(2.25,6.6) 27(1.75,6.6) 28(1.25,6.6) 29(0.75,6.6) 30(0.25,6.6) 31(-0.25,6.6) 32(-0.75,6.6) 33(-1.25,6.6) 34(-1.75,6.6) 35(-2.25,6.6) 36(-2.75,6.6) 37(-3.25,6.6) 38(-3.75,6.6) 39(-4.25,6.6) 40(-4.75,6.6) 61(-4.75,-6.6) 62(-4.25,-6.6) 63(-3.75,-6.6) 64(-3.25,-6.6) 65(-2.75,-6.6) 66(-2.25,-6.6) 67(-1.75,-6.6) 68(-1.25,-6.6) 69(-0.75,-6.6) 70(-0.25,-6.6) 71(0.25,-6.6) 72(0.75,-6.6) 73(1.25,-6.6) 74(1.75,-6.6) 75(2.25,-6.6) 76(2.75,-6.6) 77(3.25,-6.6) 78(3.75,-6.6) 79(4.25,-6.6) 80(4.75,-6.6)
  round 1.5 hole 0.8: 81(0,0)
  rect 10x10 smd mask-1.9: 81(0,0)
  silkscreen extent -5.15,-5.58 6.72,5.15, body extent -6,-6 6,6, height 1.2
TSSO5X6-G14/X.3 [mm] "Shrink Small Outline, TSSOP; 14 Leads; Body Width 4.4 mm; Pitch 0.65 mm"
  rect 0.3x1.65 smd: 1(-1.95,-2.775) 2(-1.3,-2.775) 3(-0.65,-2.775) 4(0,-2.775) 5(0.65,-2.775) 6(1.3,-2.775) 7(1.95,-2.775) 8(1.95,2.775) 9(1.3,2.775) 10(0.65,2.775) 11(0,2.775) 12(-0.65,2.775) 13(-1.3,2.775) 14(-1.95,2.775)
  silkscreen extent -2.77,-2.9 2.55,1.55, body extent -2.5,-3.22 2.5,3.19, height 1.16
TSSO6X6-G20/D6.6 [mm] "Shrink Small Outline; 20 Leads; Body Width 4.4 mm; Pitch 0.65 mm"
  rect 0.3x1.6 smd: 1(-2.925,-2.85) 2(-2.275,-2.85) 3(-1.625,-2.85) 4(-0.975,-2.85) 5(-0.325,-2.85) 6(0.325,-2.85) 7(0.975,-2.85) 8(1.625,-2.85) 9(2.275,-2.85) 10(2.925,-2.85) 11(2.925,2.85) 12(2.275,2.85) 13(1.625,2.85) 14(0.975,2.85) 15(0.325,2.85) 16(-0.325,2.85) 17(-0.975,2.85) 18(-1.625,2.85) 19(-2.275,2.85) 20(-2.925,2.85)
  silkscreen extent -3.75,-2.97 3.3,1.65, body extent -3.3,-3.29 3.3,3.31, height 1.2
WCAP-ATG5_8x11.5x3.5 [mm] "Aluminum Electrolytic Capacitors, 8x11.5mm"
  rect 1.3x1.3 hole 0.8: 1(1.75,0)
  round 1.3 hole 0.8: 2(-1.75,0)
  silkscreen extent -4,-4 4,4, body extent -3.99,-4 4,4, height 11.81